# KiCad board control.kicad_pcb (continued)
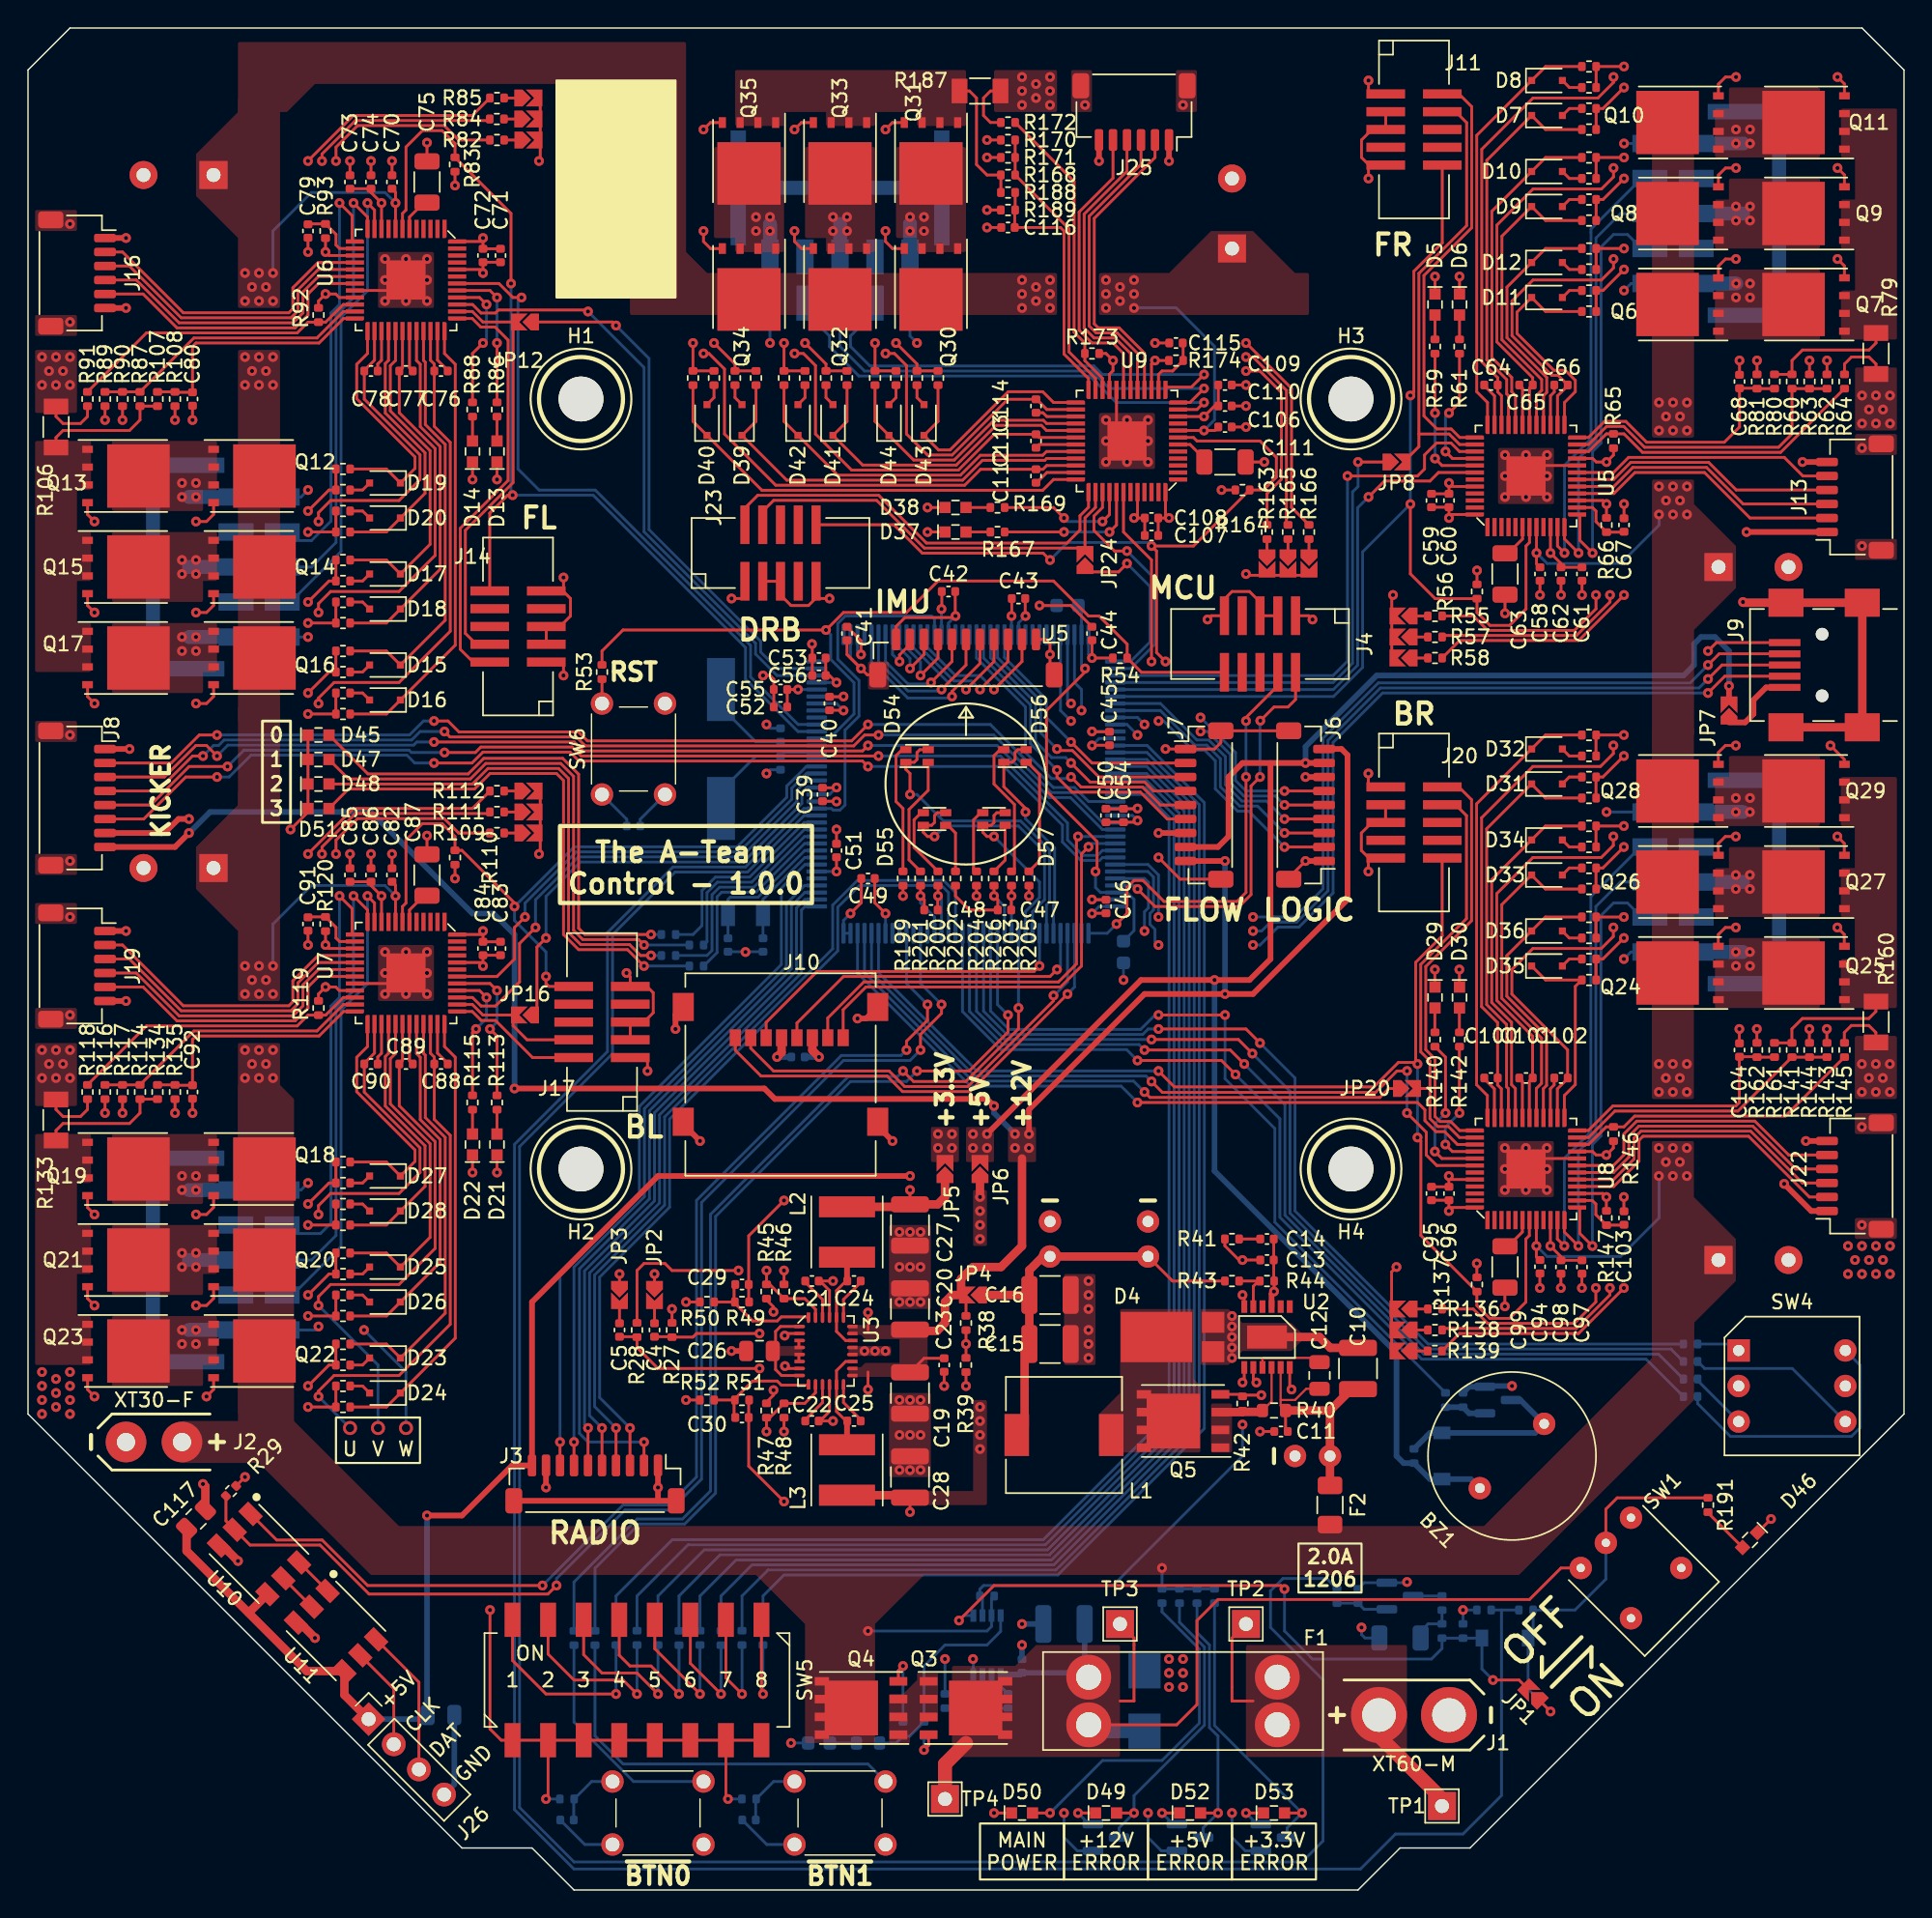
[diagram p0: board, top side]
## Routing (per net, layer and track width the routed paths; a pad name or vN(x,y) marks a point on that pad's centre or on a via; arc(x,y) is an arc through that point) (continued)
/MCU/RADIO.~{RST}: length 51
  Top w0.2: J3.8 v1(38,32)
  Bottom w0.2: v1(38,32) 38,44 43.67,49.67 43.67,55.97 53.81,66.11 53.81,71.56 55.5,73.25 U4.7
/MCU/SDMMC.CK: length 23.9
  Top w0.2: J10.5 54.92,61.92 58.25,65.25 73,65.25 v1(73.5,65.75)
  Bottom w0.2: U4.113 73.75,66 v1(73.5,65.75)
/MCU/SDMMC.CMD: length 24.6
  Top w0.2: v1(72.25,66) 71.86,65.61 56.36,65.61 52.72,61.97 J10.3
  Bottom w0.2: U4.116 v1(72.25,66)
/MCU/SDMMC.D0: length 32.6
  Top w0.2: J10.7 57.12,62.28 59.7,64.86 73.6,64.86 74.89,66.15 74.89,75.14 v1(75,75.25)
  Bottom w0.2: v1(75,75.25) U4.98
/MCU/SDMMC.D1: length 31
  Top w0.2: J10.8 58.22,62.88 59.85,64.5 73.75,64.5 75.25,66 75.25,74.01 v1(75.75,74.51)
  Bottom w0.2: v1(75.75,74.51) 75.99,74.75 U4.99
/MCU/SDMMC.D2: length 33.3
  Top w0.2: v1(74.25,64) 67.28,57.03 62.47,57.03 61.36,58.14 52.36,58.14 50.53,59.97 J10.1
  Bottom w0.2: v1(74.25,64) 74.75,64.5 U4.111
/MCU/SDMMC.D3: length 31.3
  Top w0.2: J10.2 51.62,60.12 53.25,58.5 61.51,58.5 62.62,57.39 67.13,57.39 73.25,63.51 v1(73.25,63.89)
  Bottom w0.2: v1(73.25,63.89) 73.28,63.89 74.25,64.86 U4.112
/MCU/SWCLK: length 31.5
  Top w0.2: J4.4 89.27,86.02 87,83.75 v1(87,83.5) ; v1(77.75,69) 78.5,69.75 78.5,71.61 79,72.11 79.64,72.11 81.14,70.61 86.36,70.61 87,71.25 v1(87,79.5)
  Bottom w0.2: U4.109 77.09,68.34 v1(77.75,69) ; v1(87,79.5) v1(87,83.5)
/MCU/SWDIO: length 28.5
  Top w0.2: v1(88.02,83.52) 89,84.5 90,84.5 90.54,85.04 J4.2 ; v1(88,79.5) 87.36,78.86 87.36,71.1 86.51,70.25 80.5,70.25 v1(79.25,71.5)
  Bottom w0.2: v1(88,79.5) 88,83.5 v1(88.02,83.52) ; v1(79.25,71.5) 79,71.75 U4.105
/MCU/USB_OTG.DM: length 67.6
  Top w0.2: v1(120,85.5) 121.2,86.7 J9.2
  In2.Cu w0.2: v1(80.75,67.5) 81.39,68.14 86.86,68.14 v1(87.5,67.5)
  Bottom w0.2: v1(87.5,67.5) 88,67.5 89.28,68.78 90.78,68.78 93.22,71.22 93.22,81.97 96.75,85.5 v1(120,85.5) ; v1(80.75,67.5) 80.5,67.75 80.5,68.62 80.14,68.97 80.14,69.75 80.39,70 80.39,72.35 79.99,72.75 U4.103
/MCU/USB_OTG.DP: length 67
  Top w0.2: v1(120,86.5) 121,87.5 J9.3
  In2.Cu w0.2: v1(87.5,68.5) v1(79.75,68.5)
  Bottom w0.2: U4.104 79.75,72.25 80.03,71.97 80.03,70.15 79.75,69.87 v1(79.75,68.5) ; v1(87.5,68.5) 88.12,68.5 88.76,69.14 90.13,69.14 ; 89.13,69.14 90.63,69.14 92.86,71.37 92.86,82.12 96.6,85.86 119.36,85.86 v1(120,86.5)
/MCU/USB_OTG.ID: length 66.6
  Top w0.2: J9.4 120.8,88.3 v1(120,87.5)
  In2.Cu w0.2: v1(87.5,69.5) 86.86,68.86 81.14,68.86 80.75,69.25
  Bottom w0.2: 88.98,69.5 90.48,69.5 92.5,71.52 92.5,82.27 96.45,86.22 118.72,86.22 v1(120,87.5) ; U4.102 80,73.25 80.75,72.5 v1(80.75,69.5) ; v1(87.5,69.5) 89.98,69.5
/MCU/~{RST}: length 61
  Top w0.2: R53.2 41,88.5 42.5,90 v1(57,90) 58.25,91.25 62.75,91.25 65,93.5 73.25,93.5 75.75,91 76.5,91 78.51,88.99 R54.1 79.53,86.98 J4.10
  Bottom w0.2: U4.25 57.25,82.25 59,84 59,86.24 57.33,87.91 57.33,89.67 v1(57,90)
/PGOOD_{3v3}: length 103
  Top w0.2: U3.27 56.25,41.48 55.49,42.24 R46.2 52.98,43.26 R45.1 v1(52.75,44.25) ; R28.2 43.5,44.25 44,44.75 45.5,44.75 46,44.25 v1(50.75,44.25)
  In2.Cu w0.2: v1(86,5.5) 85.03,4.53 54.72,4.53 47.25,12 47.25,33.89 45.25,35.89 45.25,42.25 47.25,44.25 v1(50.75,44.25) v1(52.75,44.25)
  Bottom w0.2: Q38.1 86.95,2.8 86,3.75 v1(86,5.5)
/PGOOD_{5v0}: length 64
  Top w0.2: 52.75,33.65 v1(52.75,32.75) ; U3.10 56.25,35.52 55.49,34.76 R48.2 52.98,33.74 R47.1
  In2.Cu w0.2: v1(80,5.5) 79.39,4.89 54.87,4.89 53.69,6.07 53.69,26.31 52.75,27.25 v1(52.75,32.75)
  Bottom w0.2: v1(80,5.5) 80,3.75 80.95,2.8 Q37.1
/PGOOD_{12v0}: length 83.1
  Top w0.2: v1(86.75,36.25) 86.88,36.38 U2.7 ; 67,38.1 67,39.9 ; R27.2 v1(46,41.5)
  In2.Cu w0.2: 73.5,36.25 69.75,36.25 v1(67,39) 65.36,40.64 46.86,40.64 v1(46,41.5) ; 73.5,36.25 v1(86.75,36.25) ; 73.5,36.25 72.75,36.25 72.75,36.25 72.75,6.75 v1(74,5.5)
  Bottom w0.2: v1(74,5.5) 74,3.75 74.95,2.8 Q36.1
/PGOOD_{VBATT}: length 31.5
  Top w0.2: U2.8 87.53,36.47 v1(87.74,36.25)
  In2.Cu w0.2: v1(86.75,33.25) 86.75,35.26 v1(87.74,36.25)
  Bottom w0.2: v1(86.75,33.25) 86.75,31 77.5,21.75 68.25,21.75 67.99,21.49 R36.2 68.17,20.81 U1.6
/PWR_SW_STATE: length 198.3
  Bottom w0.2: 105.25,20 105.25,6.75 102.5,4 97.68,4 95.18,1.5 39,1.5 34.75,5.75 34.75,53.26 37.95,56.46 37.96,56.46 41.39,59.89 41.39,68.39 46.07,73.07 51.25,73.07 55.43,77.25 U4.15 57.39,77.25 57.5,77.14 58,77.14 58.36,77.5 58.36,82.85 59.36,83.85 59.36,86.39 57.84,87.91 57.84,90.46 58.38,91 64.54,91 64.75,90.79 U4.50 ; 105.25,20 R3.1 ; 105.25,20 R4.2
/Regulator 3v3 & 5v0/EN_{3v3}: length 10.6
  Top w0.2: U3.2 54.2,39.75 v1(54.05,39.6) ; C4.1 45.97,39.52 R27.1 47.49,39.49 47.75,39.75 v1(52.25,39.75)
  In2.Cu w0.2: v1(52.25,39.75) 52.4,39.6 v1(54.05,39.6)
/Regulator 3v3 & 5v0/EN_{5v0}: length 14.3
  Top w0.2: U3.7 54.24,37.25 v1(54.07,37.42) ; v1(52.25,37.25) 45,37.25 43.5,38.75 R28.1 43.47,39.52 C5.1
  In2.Cu w0.2: v1(54.07,37.42) 52.42,37.42 v1(52.25,37.25)
/Regulator 3v3 & 5v0/FB_{3v3}: length 8.6
  Top w0.2: U3.28 53.81,40.94 53.52,40.65 51.76,40.65 50.4,42 ; 49.1,42 50.4,42 ; 50.4,42 50.43,42.03 50.43,43.25
/Regulator 3v3 & 5v0/FB_{5v0}: length 8.6
  Top w0.2: 49.1,35 50.4,35 ; 50.4,35 50.43,34.97 50.43,33.75 ; 50.4,35 51.76,36.35 53.52,36.35 53.81,36.06 U3.9
/Regulator 3v3 & 5v0/INTV_{CC}: length 7.4
  Top w0.2: U3.8 53.82,36.75 53.4,37.18 53.4,39.9 53.75,40.25 U3.1 ; U3.4 U3.3 ; U3.6 U3.5
/Regulator 3v3 & 5v0/SW_{3v3}: length 7.1
  Top w0.2: 58.43,43.5 57.75,42.82 U3.24 57.75,39.9 58.4,39.25 U3.20
  Top w0.4: 58.43,43.5 58.5,43.57 L2.1
/Regulator 3v3 & 5v0/SW_{5v0}: length 7.1
  Top w0.2: U3.17 58.4,37.75 57.75,37.1 U3.13 57.75,34.18 58.43,33.5
  Top w0.4: L3.1 58.5,33.43 58.43,33.5
/Regulator 12v0/V_{SENSE+}: length 19.1
  Top w0.153: R40.1 89.47,34.6 U2.11 ; 89.47,35 90.5,35 91.3,35.8 C12.1
  Top w0.2: 90.07,32.75 89.83,32.99 R40.1
  Top w0.6: 93,34.25 C9.1 F2.2 ; 93,34.25 94.53,35.78 C10.1 ; 93,34.25 R40.1
/Regulator 12v0/V_{SENSE-}: length 6.4
  Top w0.153: R40.2 88.83,34.9 U2.10
  Top w0.6: Q5.3 86.73,34.13 86.75,34.15 88.08,34.15 R40.2
/RobotID.BL: length 18.8
  Top w0.2: D55.3 64.95,76.95 64.75,76.75 64.75,76.25 64.55,76.05 D55.1 63.95,75.55 64.25,75.25 v1(64.75,75.25)
  Bottom w0.2: U4.117 71.75,69.88 72.61,70.74 72.61,74.14 70.75,76 65.5,76 v1(64.75,75.25)
/RobotID.BR: length 12.4
  Top w0.2: v1(69,75.25) 68.5,75.25 68.2,75.55 D57.1 68.8,76.05 69,76.25 69,76.75 69.2,76.95 D57.3
  Bottom w0.2: v1(69,75.25) 72.25,72 72.25,70.89 71.25,69.89 U4.118
/RobotID.FL: length 22.3
  Top w0.2: D54.3 63.7,81.45 63.5,81.25 63.5,80.75 63.3,80.55 D54.1 62.7,80.05 63,79.75 v1(63,78.25)
  Bottom w0.2: U4.115 72.75,70.37 72.97,70.59 72.97,74.29 70.9,76.36 65.39,76.36 63.5,78.25 v1(63,78.25)
/RobotID.FR: length 16
  Top w0.2: v1(71.25,77) 71.25,77.26 69.7,78.81 D56.1 70.3,80.55 70.5,80.75 70.5,81.25 70.7,81.45 D56.3
  Bottom w0.2: v1(71.25,77) 71.25,76.52 73.33,74.44 73.33,70.44 73.25,70.36 U4.114
/V_{Switch}: length 27.7
  Top w0.2: JP1.1 v1(108.75,12.75) ; SW1.5 112.7,27.2 113.51,28.01 R191.1
  Bottom w0.2: v1(108.75,12.75) 107.15,14.35 D1.2 107.51,18.36 R3.2 110.5,20 112.7,22.2 SW1.5
/~{BTN0}: length 70.6
  Top w0.2: v1(70.75,63) 70.75,61.52 66.98,57.75 63.25,57.75 v1(62.5,58.5)
  Bottom w0.2: v1(62.5,58.5) 62.11,58.11 58.6,58.11 48.75,48.26 48.75,28.5 46.75,26.5 43.5,26.5 39,22 R5.2 ; v1(70.75,63) U4.119
/~{BTN1}: length 68.8
  Top w0.2: v1(70,62.5) 70,61.28 67.22,58.5 v1(63.5,58.5)
  Bottom w0.2: v1(70,62.5) 69.25,63.25 U4.122 ; v1(63.5,58.5) 62.75,57.75 58.75,57.75 49.11,48.11 49.11,28.35 46.9,26.14 43.65,26.14 40.5,22.99 R6.2
Net-(BZ1-Pad2): length 13.1
  Bottom w0.4: Q1.3 106.6,35 BZ1.2 107.65,32.65 D3.2 100.14,32.65 R21.1
Net-(C1-Pad1): length 4.8
  Bottom w0.2: C1.1 38.98,6.47 R1.1 40.26,7.75 SW2.1
Net-(C2-Pad1): length 4.8
  Bottom w0.2: SW3.1 53.26,7.75 R2.1 51.98,6.47 C2.1
Net-(C3-Pad1): length 3.2
  Bottom w0.2: R23.1 R8.1 100.01,19.01 99.47,18.47 C3.1
Net-(C4-Pad2): length 1
  Top w0.2: 44.75,41.5 C4.2
Net-(C5-Pad2): length 1.2
  Top w0.2: JP3.2 C5.2
Net-(C8-Pad1): length 1.9
  Bottom w0.2: R37.2 C8.1
Net-(C12-Pad2): length 4.8
  Top w0.153: U2.9 88.17,37.93 88.26,38.01 91.94,38.01 C12.2
Net-(C13-Pad1): length 6.7
  Top w0.2: R41.2 85.49,46.01 86.5,45 v1(86.75,45) 87.93,45 ; U2.6 86.88,42.38 v1(86.75,42.5)
  In2.Cu w0.2: v1(86.75,45) v1(86.75,42.5)
Net-(C14-Pad1): length 1.3
  Top w0.2: 86.6,46.5 87.93,46.5
Net-(C15-Pad1): length 30.3
  Top w0.2: 85.4,43.5 81.75,43.5 C18.1
  Top w0.6: C16.1 JP4.1 ; C16.1 71.53,38.84 71.19,38.5 71.19,33.06 L1.2 ; C16.1 71.53,44.28 72.5,45.25 C17.1 C18.1
Net-(C21-Pad1): length 3.1
  Top w0.2: U3.26 56.75,42.18 55.43,43.5
Net-(C22-Pad1): length 3.1
  Top w0.2: 55.43,33.5 56.75,34.82 U3.11
Net-(C24-Pad1): length 3.1
  Top w0.2: U3.23 58.25,42.18 59.57,43.5
Net-(C25-Pad1): length 3.1
  Top w0.2: U3.14 58.25,34.82 59.57,33.5
Net-(C27-Pad1): length 27
  Top w0.2: v1(63,50) 63,49.06 ; v1(54,49.25) 51.48,46.73 C29.1 51.48,42.03 R49.1
  Top w0.6: JP5.1 65.5,49.5 64.97,48.97 C27.1 ; 63,49.06 62.74,48.8 L2.2
  In2.Cu w0.2: v1(63,50) 62.25,49.25 v1(54,49.25)
Net-(C28-Pad1): length 24.3
  Top w0.2: v1(54,27.75) 51.48,30.27 C30.1 51.48,34.97 R51.1 ; v1(63,27) 63,27.94
  Top w0.6: JP6.1 v1(68,49.5) ; L3.2 62.74,28.2 63,27.94
  In2.Cu w0.2: v1(54,27.75) 62.25,27.75 v1(63,27)
  vias: v1(68,48.5) v1(68,47.5) v1(68,46.5) v1(68,34.5) v1(68,33.5) v1(68,32.5) v1(68,31.5)
Net-(C31-Pad1): length 3
  Bottom w0.2: SW6.1 42.77,76.48 C31.1
Net-(C32-Pad1): length 29.4
  Top w0.2: v1(76.25,72.75) 76.36,72.86 76.36,74.89 72.75,78.5 72.75,84.25 75.5,87 v1(75.5,87.25)
  Bottom w0.2: C33.1 79,68.53 79,70.75 78.5,71.25 U4.106 76.61,71.25 76.25,71.61 v1(76.25,72.75) ; C32.1 75.25,91.53 U4.71 75.25,87.5 v1(75.5,87.25)
Net-(C34-Pad1): length 9.2
  Bottom w0.2: U4.24 54.02,81.75 C34.1 51.98,82.02 49.5,84.5 Y1.1
Net-(C35-Pad1): length 9.2
  Bottom w0.2: Y1.2 49.5,78.5 51.98,80.98 C35.1 54.02,81.25 U4.23
Net-(C36-Pad1): length 7.9
  Bottom w0.2: C36.1 Y2.1 52.5,70.76 55.49,73.75 U4.8
Net-(C37-Pad1): length 10.6
  Bottom w0.2: C37.1 Y2.2 50,70.75 50.16,70.91 52.14,70.91 55.48,74.25 U4.9
Net-(C63-Pad1): length 2.5
  Top w0.2: C63.1 105.72,95.47 106.75,96.5 U5.6
Net-(C64-Pad1): length 3.2
  Top w0.2: U5.35 104.75,106.72 104.02,107.45 C64.1
Net-(C65-Pad1): length 2.9
  Top w0.2: C65.1 106.75,107.27 U5.31
Net-(C66-Pad1): length 3
  Top w0.2: C66.1 109.02,107 108.75,106.73 U5.27
Net-(C68-Pad1): length 18.4
  Top w0.2: R80.2 R81.2 123.47,107.27 C68.1 122.25,104.5 121.16,103.41 115.62,103.41 114.13,104.9 112.61,104.9 111.46,103.75 U5.24
Net-(C75-Pad1): length 2.5
  Top w0.2: C75.1 28.28,120.53 27.25,119.5 U6.6
Net-(C76-Pad1): length 3.2
  Top w0.2: U6.35 29.25,109.28 29.98,108.55 C76.1
Net-(C77-Pad1): length 2.9
  Top w0.2: U6.31 27.25,108.73 C77.1
Net-(C78-Pad1): length 3
  Top w0.2: C78.1 24.98,109 25.25,109.27 U6.27
Net-(C80-Pad1): length 18.2
  Top w0.2: U6.24 22.54,112.25 20.79,110.5 12,110.5 11.75,110.25 C80.1 10.53,106.98 R108.2 R107.2
Net-(C87-Pad1): length 2.5
  Top w0.2: U7.6 27.25,70 28.28,71.03 C87.1
Net-(C88-Pad1): length 3.2
  Top w0.2: C88.1 29.98,59.05 29.25,59.78 U7.35
Net-(C89-Pad1): length 2.9
  Top w0.2: C89.1 27.25,59.23 U7.31
Net-(C90-Pad1): length 3
  Top w0.2: C90.1 24.98,59.5 25.25,59.77 U7.27
Net-(C92-Pad1): length 18.2
  Top w0.2: U7.24 22.54,62.75 20.79,61 12,61 11.75,60.75 C92.1 10.53,57.48 R135.2 R134.2
Net-(C99-Pad1): length 2.5
  Top w0.2: 106.74,47.85 106.74,47 105.72,45.97 105.49,45.97
Net-(C100-Pad1): length 3.2
  Top w0.2: 104.74,55.15 104.74,57.22 104.01,57.95 104.01,58
Net-(C101-Pad1): length 2.9
  Top w0.2: 106.51,58 106.74,57.77 106.74,55.15
Net-(C102-Pad1): length 3
  Top w0.2: 109.01,58 109.01,57.5 108.74,57.23 108.74,55.15
Net-(C104-Pad1): length 18.2
  Top w0.2: 110.64,54.25 111.45,54.25 113.2,56 121.99,56 122.24,56.25 122.24,59.52 123.46,59.52 123.49,59.49 124.74,59.49
Net-(C111-Pad1): length 2.5
  Top w0.2: C111.1 84.03,102.22 83,103.25 U9.6
Net-(C112-Pad1): length 3.2
  Top w0.2: U9.35 72.78,101.25 72.05,100.52 C112.1
Net-(C113-Pad1): length 2.9
  Top w0.2: C113.1 72.23,103.25 U9.31
Net-(C114-Pad1): length 3
  Top w0.2: C114.1 72.5,105.52 72.77,105.25 U9.27
Net-(C116-Pad1): length 18.2
  Top w0.2: U9.24 75.75,107.96 74,109.71 74,118.5 73.75,118.75 C116.1 70.48,119.97 R189.2 R188.2
Net-(D5-Pad2): length 1.7
  Top w0.2: D5.2 R59.2
Net-(D6-Pad2): length 1.7
  Top w0.2: D6.2 R61.2
Net-(D7-Pad1): length 28.1
  Top w0.2: R68.1 108.4,125.75 D7.1 104.2,123.55 104.2,109.31 105.62,107.89 105.62,106.87 105.75,106.74 U5.33
Net-(D7-Pad2): length 1.6
  Top w0.2: R67.1 110.1,127.25 D7.2
Net-(D8-Pad1): length 30.5
  Top w0.2: R69.1 108.4,130.25 D8.1 103.48,125.33 103.48,107.02 104.25,106.25 U5.36
Net-(D8-Pad2): length 1.6
  Top w0.2: R70.1 110.1,128.75 D8.2
Net-(D9-Pad1): length 21.8
  Top w0.2: U5.29 107.75,106.75 108.12,107.12 108.12,107.89 105.28,110.73 105.28,118.13 D9.1 108.4,119.25 R72.1
Net-(D9-Pad2): length 1.6
  Top w0.2: D9.2 110.1,120.75 R71.1
Net-(D10-Pad1): length 24
  Top w0.2: R73.1 108.4,123.75 D10.1 104.56,119.91 104.56,109.46 105.98,108.04 105.98,107.02 106.25,106.75 U5.32
Net-(D10-Pad2): length 1.6
  Top w0.2: D10.2 110.1,122.25 R74.1
Net-(D11-Pad1): length 16.1
  Top w0.2: U5.25 109.75,106.25 110.52,107.02 110.52,107.84 109.81,108.55 108.99,108.55 106.36,111.18 106.36,112.71 D11.1 108.4,112.75 R76.1
Net-(D11-Pad2): length 1.6
  Top w0.2: D11.2 110.1,114.25 R75.1
Net-(D12-Pad1): length 17.6
  Top w0.2: U5.28 108.25,106.74 108.48,106.97 108.48,108.04 105.64,110.88 105.64,114.49 D12.1 108.4,117.25 R77.1
Net-(D12-Pad2): length 1.6
  Top w0.2: R78.1 110.1,115.75 D12.2
Net-(D13-Pad2): length 1.7
  Top w0.2: D13.2 R86.2
Net-(D14-Pad2): length 1.7
  Top w0.2: D14.2 R88.2
Net-(D15-Pad1): length 29.8
  Top w0.2: R95.1 25.6,88.5 D15.1 29.8,90.7 29.8,103.25 28.38,104.67 28.38,109.13 28.25,109.26 U6.33
Net-(D15-Pad2): length 1.6
  Top w0.2: D15.2 23.9,87 R94.1
Net-(D16-Pad1): length 32.3
  Top w0.2: R96.1 25.6,84 D16.1 30.52,88.92 30.52,108.98 29.75,109.75 U6.36
Net-(D16-Pad2): length 1.6
  Top w0.2: D16.2 23.9,85.5 R97.1
Net-(D17-Pad1): length 23.6
  Top w0.2: U6.29 26.25,109.25 25.88,108.88 25.88,105.65 28.72,102.81 28.72,96.12 D17.1 25.6,95 R99.1
Net-(D17-Pad2): length 1.6
  Top w0.2: D17.2 23.9,93.5 R98.1
Net-(D18-Pad1): length 25.7
  Top w0.2: R100.1 25.6,90.5 D18.1 29.44,94.34 29.44,103.11 28.02,104.53 28.02,108.98 27.75,109.25 U6.32
Net-(D18-Pad2): length 1.6
  Top w0.2: D18.2 23.9,92 R101.1
Net-(D19-Pad1): length 17.3
  Top w0.2: R103.1 25.6,101.5 D19.1 27.64,101.54 27.64,102.36 23.48,106.52 23.48,108.98 24.25,109.75 U6.25
Net-(D19-Pad2): length 1.6
  Top w0.2: R102.1 23.9,100 D19.2
Net-(D20-Pad1): length 19.4
  Top w0.2: R104.1 25.6,97 D20.1 28.36,99.76 28.36,102.66 25.52,105.5 25.52,109.03 25.75,109.26 U6.28
Net-(D20-Pad2): length 1.6
  Top w0.2: R105.1 23.9,98.5 D20.2
Net-(D21-Pad2): length 1.7
  Top w0.2: D21.2 R113.2
Net-(D22-Pad2): length 1.7
  Top w0.2: D22.2 R115.2
Net-(D23-Pad1): length 29.8
  Top w0.2: U7.33 28.25,59.76 28.38,59.63 28.38,55.17 29.8,53.75 29.8,41.2 D23.1 25.6,39 R122.1
Net-(D23-Pad2): length 1.6
  Top w0.2: D23.2 23.9,37.5 R121.1
Net-(D24-Pad1): length 32.3
  Top w0.2: R123.1 25.6,34.5 D24.1 30.52,39.42 30.52,59.48 29.75,60.25 U7.36
Net-(D24-Pad2): length 1.6
  Top w0.2: R124.1 23.9,36 D24.2
Net-(D25-Pad1): length 23.6
  Top w0.2: R126.1 25.6,45.5 D25.1 28.72,46.62 28.72,53.31 25.88,56.15 25.88,59.38 26.25,59.75 U7.29
Net-(D25-Pad2): length 1.6
  Top w0.2: D25.2 23.9,44 R125.1
Net-(D26-Pad1): length 25.7
  Top w0.2: U7.32 27.75,59.75 28.02,59.48 28.02,55.03 29.44,53.61 29.44,44.84 D26.1 25.6,41 R127.1
Net-(D26-Pad2): length 1.6
  Top w0.2: D26.2 23.9,42.5 R128.1
Net-(D27-Pad1): length 17.3
  Top w0.2: U7.25 24.25,60.25 23.48,59.48 23.48,57.02 27.64,52.86 27.64,52.04 D27.1 25.6,52 R130.1
Net-(D27-Pad2): length 1.6
  Top w0.2: R129.1 23.9,50.5 D27.2
Net-(D28-Pad1): length 19.4
  Top w0.2: U7.28 25.75,59.76 25.52,59.53 25.52,56 28.36,53.16 28.36,50.26 D28.1 25.6,47.5 R131.1
Net-(D28-Pad2): length 1.6
  Top w0.2: R132.1 23.9,49 D28.2
Net-(D29-Pad2): length 1.7
  Top w0.2: 100.49,63 100.49,61.26
Net-(D30-Pad2): length 1.7
  Top w0.2: 102.24,63 102.24,61.26
Net-(D31-Pad1): length 29.8
  Top w0.2: 105.74,55.15 105.74,57.24 105.61,57.37 105.61,61.83 104.19,63.25 104.19,75.8 107.39,79 108.39,78 110.98,78
Net-(D31-Pad2): length 1.6
  Top w0.2: 109.59,79 110.09,79.5 110.98,79.5
Net-(D32-Pad1): length 32.3
  Top w0.2: 110.98,82.5 108.39,82.5 103.47,77.58 103.47,57.52 104.24,56.75 104.24,55.15
Net-(D32-Pad2): length 1.6
  Top w0.2: 110.98,81 110.09,81 109.59,81.5
Net-(D33-Pad1): length 23.6
  Top w0.2: 107.74,55.15 107.74,57.25 108.11,57.62 108.11,60.85 105.27,63.69 105.27,70.38 107.39,72.5 108.39,71.5 110.98,71.5
Net-(D33-Pad2): length 1.6
  Top w0.2: 110.98,73 110.09,73 109.59,72.5
Net-(D34-Pad1): length 25.7
  Top w0.2: 106.24,55.15 106.24,57.25 105.97,57.52 105.97,61.97 104.55,63.39 104.55,72.16 108.39,76 110.98,76
Net-(D34-Pad2): length 1.6
  Top w0.2: 110.98,74.5 110.09,74.5 109.59,75
Net-(D35-Pad1): length 14.4
  Top w0.2: D35.1 108.4,65 R157.1 ; 109.74,55.15 109.74,56.75 110.52,57.53 110.52,64.54 110.98,65
Net-(D35-Pad2): length 1.6
  Top w0.2: 109.59,66 110.09,66.5 110.98,66.5
Net-(D36-Pad1): length 19.4
  Top w0.2: 108.24,55.15 108.24,57.24 108.47,57.47 108.47,61 105.63,63.84 105.63,66.74 108.39,69.5 110.98,69.5
Net-(D36-Pad2): length 1.6
  Top w0.2: 110.98,68 110.09,68 109.59,68.5
Net-(D37-Pad2): length 1.7
  Top w0.2: D37.2 R167.2
Net-(D38-Pad2): length 1.7
  Top w0.2: D38.2 R169.2
Net-(D39-Pad1): length 29.8
  Top w0.2: U9.33 72.76,102.25 72.63,102.12 68.17,102.12 66.75,100.7 54.2,100.7 D39.1 52,104.9 R176.1
Net-(D39-Pad2): length 1.6
  Top w0.2: D39.2 50.5,106.6 R175.1
Net-(D40-Pad1): length 32.3
  Top w0.2: R177.1 47.5,104.9 D40.1 52.42,99.98 72.48,99.98 73.25,100.75 U9.36
Net-(D40-Pad2): length 1.6
  Top w0.2: D40.2 49,106.6 R178.1
Net-(D41-Pad1): length 23.6
  Top w0.2: U9.29 72.75,104.25 72.38,104.62 69.15,104.62 66.31,101.78 59.62,101.78 D41.1 58.5,104.9 R180.1
Net-(D41-Pad2): length 1.6
  Top w0.2: D41.2 57,106.6 R179.1
Net-(D42-Pad1): length 25.7
  Top w0.2: R181.1 54,104.9 D42.1 57.84,101.06 66.61,101.06 68.03,102.48 72.48,102.48 72.75,102.75 U9.32
Net-(D42-Pad2): length 1.6
  Top w0.2: R182.1 55.5,106.6 D42.2
Net-(D43-Pad1): length 17.3
  Top w0.2: U9.25 73.25,106.25 72.48,107.02 70.02,107.02 65.86,102.86 65.04,102.86 D43.1 65,104.9 R184.1
Net-(D43-Pad2): length 1.6
  Top w0.2: R183.1 63.5,106.6 D43.2
Net-(D44-Pad1): length 19.4
  Top w0.2: R185.1 60.5,104.9 D44.1 63.26,102.14 66.16,102.14 69,104.98 72.53,104.98 72.76,104.75 U9.28
Net-(D44-Pad2): length 1.6
  Top w0.2: R186.1 62,106.6 D44.2
Net-(D45-Pad2): length 37
  Top w0.2: v1(44.5,68.25) 39.78,68.25 39.33,68.7 39.33,79.7 38.2,80.83 32.55,80.83 31.44,79.72 24.28,79.72 D45.2
  Bottom w0.2: R190.2 v1(44.5,68.25)
Net-(D46-Pad2): length 3.5
  Top w0.2: D46.2 120,26.94 R191.2
Net-(D47-Pad2): length 38.6
  Top w0.2: D47.2 22.89,79.36 31.59,79.36 32.7,80.47 38.05,80.47 38.97,79.55 38.97,68.55 39.63,67.89 43.61,67.89 v1(44,67.5)
  Bottom w0.2: R193.2 v1(44,67.5)
Net-(D48-Pad2): length 36.2
  Top w0.2: D48.2 31.74,79 32.85,80.11 37.9,80.11 38.61,79.4 38.61,68.4 39.48,67.53 42.97,67.53 43.75,66.75 v1(44.5,66.75)
  Bottom w0.2: R194.2 v1(44.5,66.75)
Net-(D49-Pad2): length 21.3
  Top w0.2: v1(79,5.5) D49.2
  Bottom w0.2: Q36.3 77.94,4.44 v1(79,5.5) 79,6.74 84.03,11.77 84.03,17.35 82.25,19.13 R192.2
Net-(D50-Pad2): length 24.3
  Top w0.2: D50.2 v1(73,5.5)
  Bottom w0.2: R195.2 81,19.87 83.67,17.2 83.67,11.92 81,9.25 76.75,9.25 v1(73,5.5)
Net-(D51-Pad2): length 38.9
  Top w0.2: D51.2 22.89,78.64 31.89,78.64 33,79.75 37.75,79.75 38.25,79.25 38.25,68.25 39.33,67.17 42.82,67.17 43.99,66 v1(44,66)
  Bottom w0.2: R196.2 v1(44,66)
Net-(D52-Pad2): length 19.1
  Top w0.2: v1(85,5.5) D52.2
  Bottom w0.2: R197.2 83.5,18.39 84.39,17.5 84.39,11.6 85,10.99 v1(85,5.5) 83.94,4.44 Q37.3
Net-(D53-Pad2): length 21
  Top w0.2: v1(91,5.5) D53.2
  Bottom w0.2: Q38.3 89.94,4.44 v1(91,5.5) 84.75,11.75 R198.2
Net-(D54-Pad2): length 8.7
  Top w0.2: R201.1 62.93,73.58 62.93,77.18 64.3,78.55 D54.2
Net-(D54-Pad4): length 9.3
  Top w0.2: D54.4 62.43,81.45 62,81.02 62,77.75 62.5,77.25 R199.2
Net-(D55-Pad2): length 3.7
  Top w0.2: D55.2 65.7,76.05 66.25,75.5 R202.1
Net-(D55-Pad4): length 5.3
  Top w0.2: D55.4 63.8,76.95 63.29,76.44 63.29,74.47 R200.2
Net-(D56-Pad2): length 8.5
  Top w0.2: R205.1 72.25,73.51 72.25,79.67 71.38,80.55 D56.2
Net-(D56-Pad4): length 9.8
  Top w0.2: R203.2 70.46,72.97 70.46,77.54 69,79 69,81.02 69.43,81.45 D56.4